# Altium PCB STM32F207VC_Mini.PcbDoc
Units mm, origin at the board's own origin, x right, y up, seen from the top; angles counter-clockwise.
Board outline 70 x 70.02 mm, 2 copper layers (Top Layer, Bottom Layer); 50 components, 95 nets, 301 pads, 43 vias.
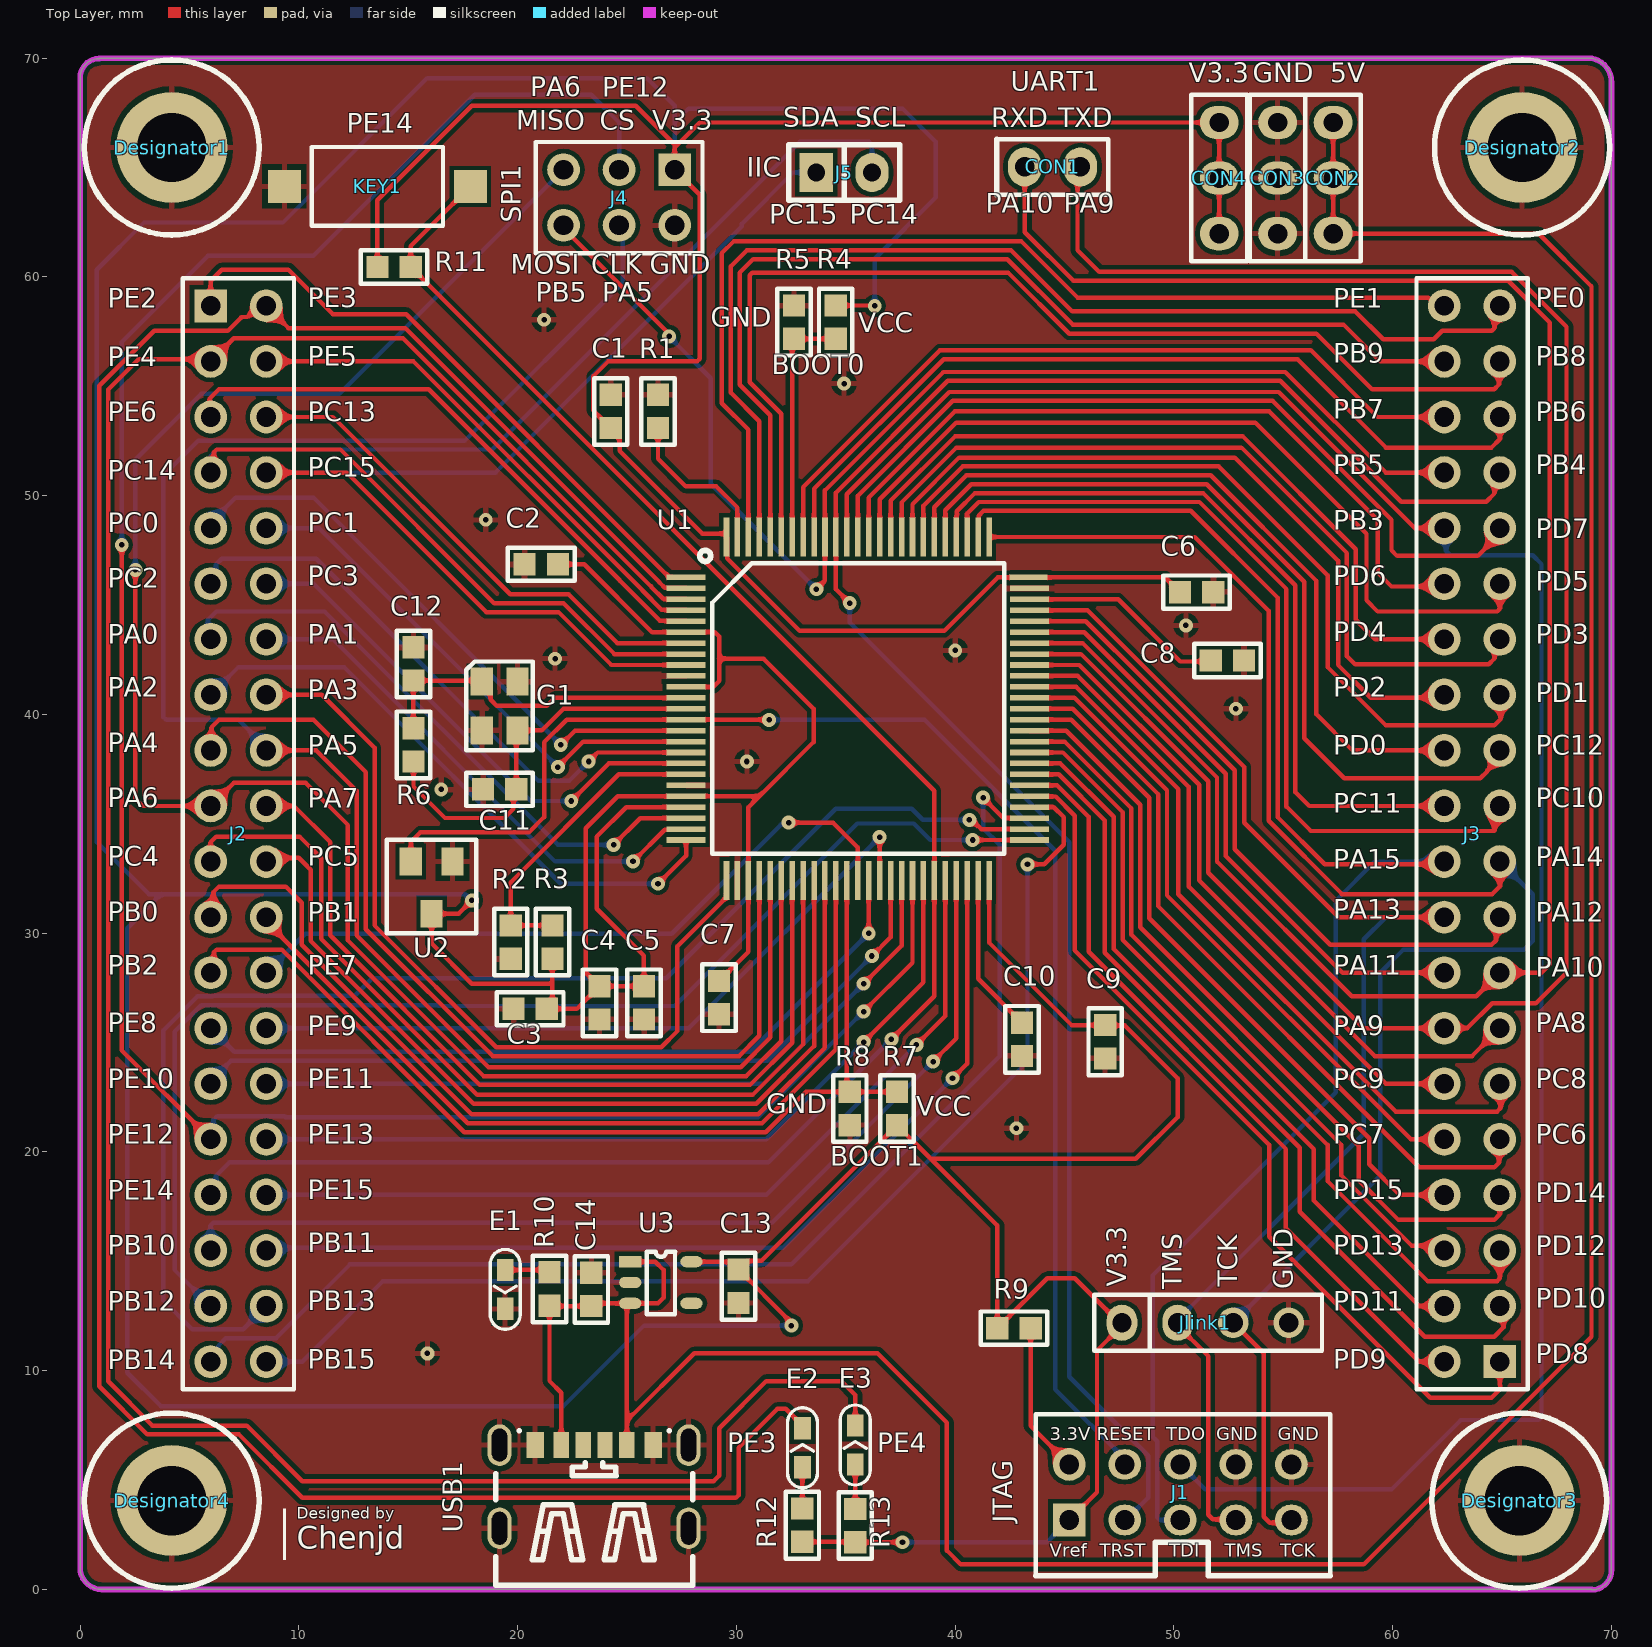
[diagram p0: Top Layer view]
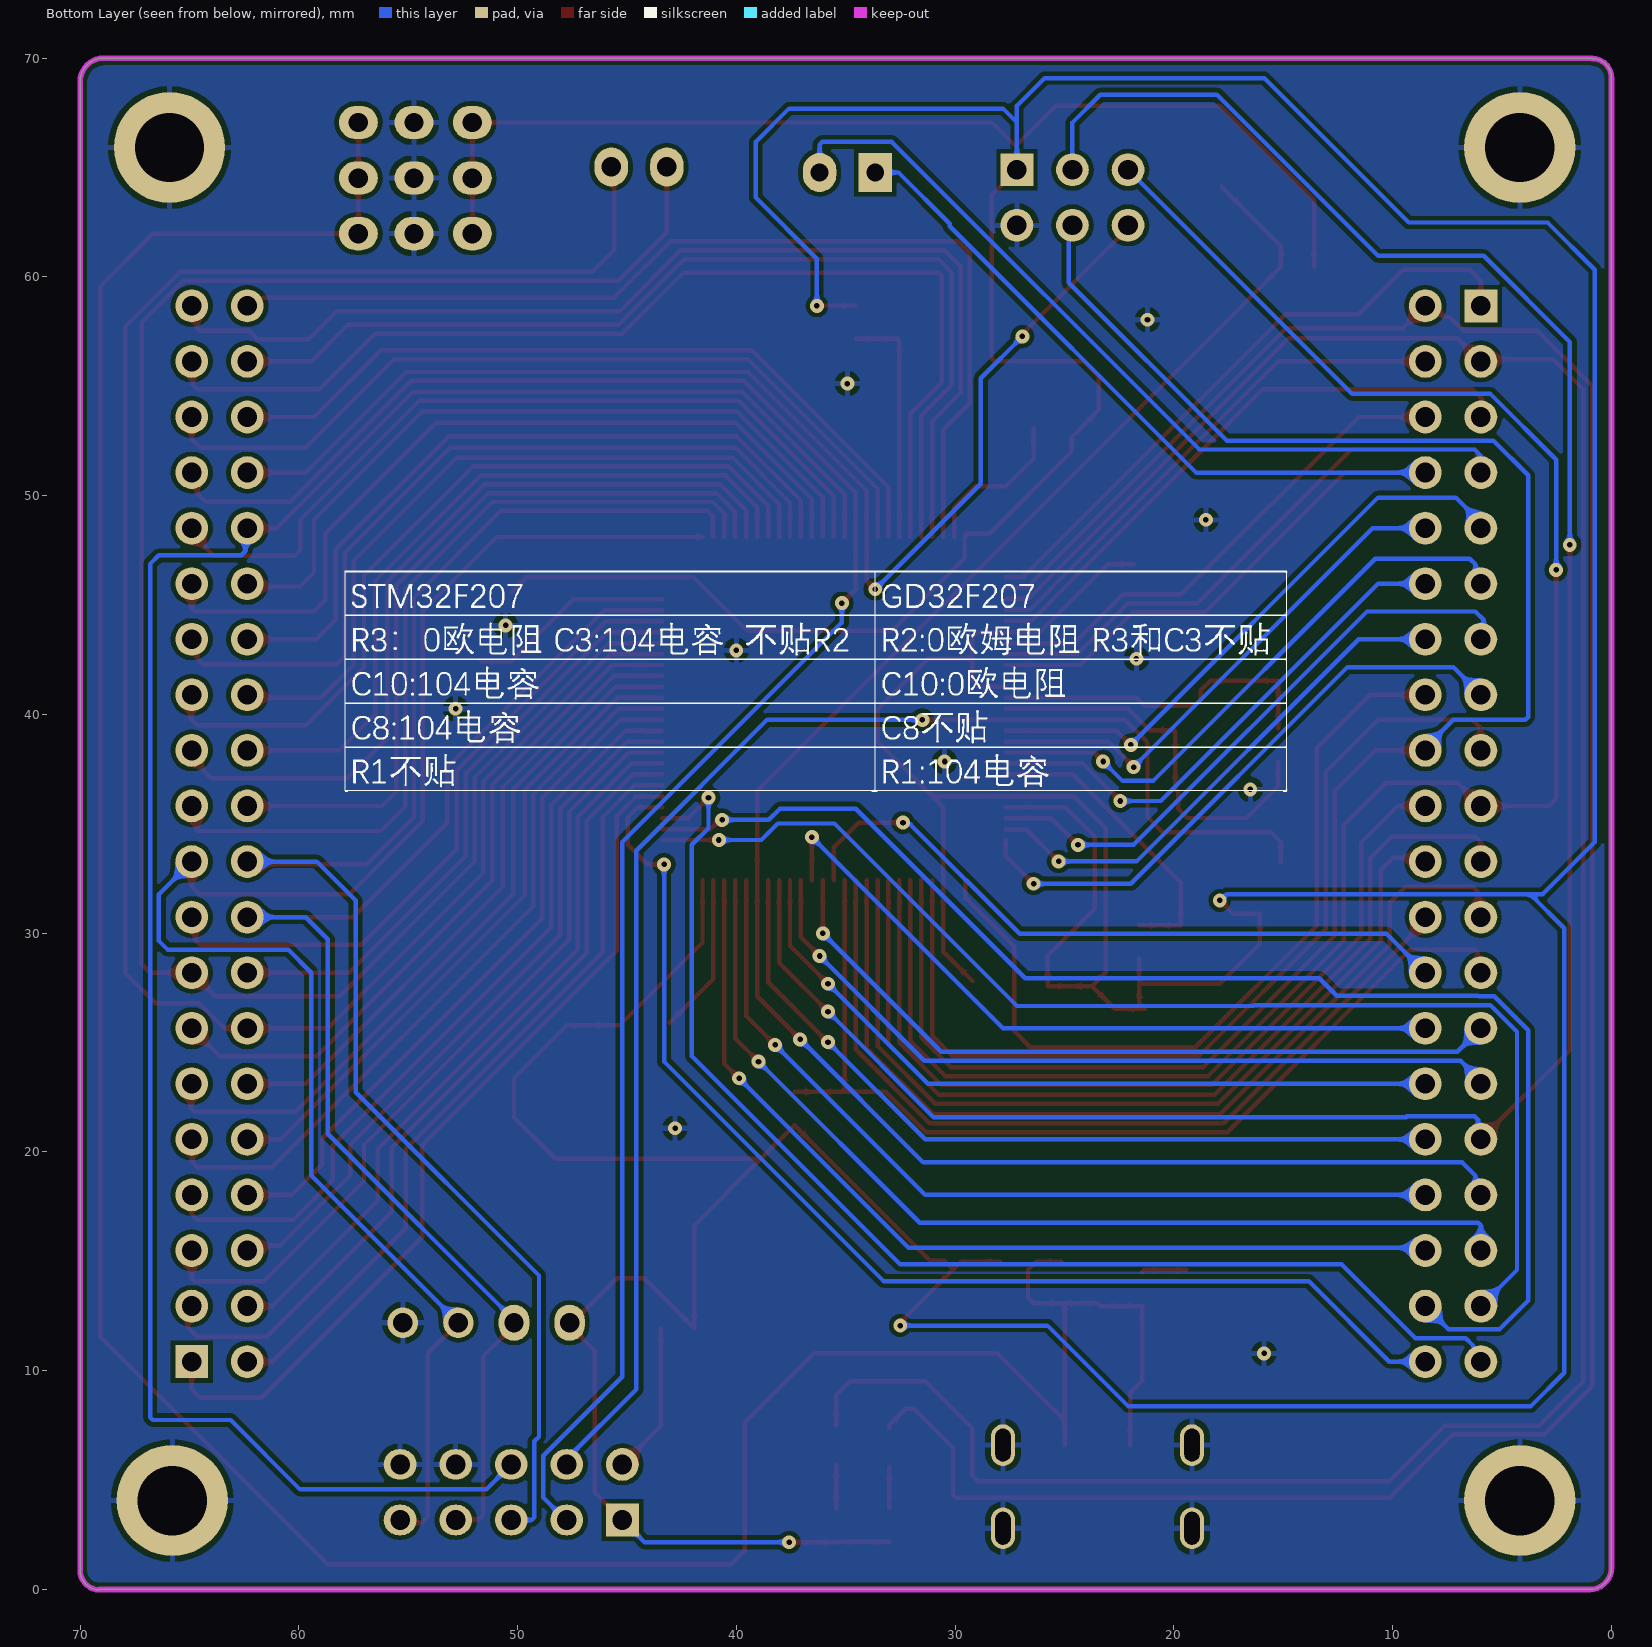
[diagram p1: Bottom Layer view, seen from below]

## Layer stack, top to bottom
Top Solder: solder mask 0.0102, Solder Resist, Dk 3.5
Top Layer: signal copper 0.0356
Dielectric 1: dielectric 0.32, FR-4, Dk 4.8
Bottom Layer: signal copper 0.0356
Bottom Solder: solder mask 0.0102, Solder Resist, Dk 3.5

## Board outline
0,1 0,69.102 cw(c0.878,69.102) 0.878,69.98 0.878,70 68.92,70 cw(c68.92,68.92) 70,68.92 70,0.878 cw(c69.102,0.878) 69.102,-0.02 69.102,0 1,0 cw(c1,1)

## Design rules (kind name [scope] priority, off if disabled: settings)
Clearance [All] p1: gap=0.203 ignorepadtopadclearanceinfootprint=FALSE except(0: Arc-Hole Track-Hole SMDPad-Hole THPad-Hole Via-Hole Fill-Hole Poly-Hole Region-Hole Text-Hole)
PolygonConnect [All] p1: connectstyle=Relief reliefconductorwidth=0.254 reliefentries=4 polygonreliefangle="90 Angle" airgapwidth=0.254
RoutingVias [All] p1: holewidth=0.2 width=0.5 viastyle="Through Hole" minholewidth=0.711 minwidth=1.27 maxholewidth=0.711 maxwidth=1.27
SolderMaskExpansion [All] p1: expansion=0.102 istentingtop=FALSE
Width [All] p1: maxlimit=0.203 minlimit=0.203 preferedwidth=0.203
30 further rules are at their usual default settings.

## Classes and differential pairs
component class STM32F207VC_Mini: C1 C2 C3 C4 C5 C6 C7 C8 C9 C10 C11 C12 C13 C14 CON1 CON2 CON3 CON4 E1 E2 E3 G1 J1 J2 J3 J4 J5 Jlink1 KEY1 R1 R2 R3 R4 R5 R6 R7 R8 R9 R10 R11 R12 R13 U1 U2 U3 USB1

## Components (designator, comment, footprint, x,y, rotation, side; value= is the part's Value field where it differs from the comment)
C1 "4.7u" 0603 24.251,53.103 r90 top
C2 "104" 0603 20.337,46.869 r0 top
C3 "104" 0603 19.829,26.549 r0 top
C4 "105" 0603 23.749,27.559 r270 top
C5 "104" 0603 25.781,27.559 r270 top
C6 "104" 0603 50.292,45.593 r0 top
C7 "104" 0603 29.216,27.796 r270 top
C8 "2.2u" 0603 53.189,42.464 r180 top
C9 "104" 0603 46.863,25.781 r270 top
C10 "2.2u" 0603 43.047,24.401 r90 top
C11 "18pF" 0603 18.432,36.582 r0 top
C12 "18pF" 0603 15.24,43.053 r270 top
C13 "10uF" 0603 30.099,14.605 r270 top
C14 "10uF" 0603 23.362,12.971 r90 top
CON1 "CON2" 2pin 45.72,65.024 r180 top
CON2 "CON3" "3 PIN" 57.277,61.976 r90 top
CON3 "CON3" "3 PIN" 54.737,61.976 r90 top
CON4 "CON3" "3 PIN" 52.07,61.976 r90 top
Designator1 "Comment" M3x10_L 4.191,65.913 r0 top
Designator2 "Comment" M3x10_L 65.913,65.913 r0 top
Designator3 "Comment" M3x10_L 65.786,4.064 r0 top
Designator4 "Comment" M3x10_L 4.191,4.064 r0 top
E1 "LED" LED_0603L 19.431,14.859 r270 top
E2 "LED" LED_0603L 33.02,5.334 r90 top
E3 "LED" LED_0603L 35.433,5.461 r90 top
G1 "25MHz(无源贴片)" G3225 19.177,40.386 r270 top
J1 "JTAG-10P" JTAG-10PIN 45.212,3.175 r0 top
J2 "Pin HDR2X20" "Pin HDR2X20/2.54mm-S" 5.969,58.674 r270 top
J3 "Pin HDR2X20" "Pin HDR2X20/2.54mm-S" 64.897,10.414 r90 top
J4 "Pin HDR2X3" "Pin HDR2X3/2.54mm-S" 27.178,64.897 r180 top
J5 "Pin HDR1X2" "Pin HDR1X2/2.54mm-S" 33.655,64.77 r90 top
Jlink1 "JLINK-SWD" Jlink-SWD 47.625,12.192 r0 top
KEY1 "H-3650AADW(NC)" SW_PB_2P 13.589,64.135 r180 top value=SW_PB_2P
R1 "0" 0603 26.41,53.103 r90 top
R2 "0" 0603 19.679,28.846 r90 top
R3 "0" 0603 21.584,28.846 r90 top
R4 "1k" 0603 34.544,58.674 r270 top
R5 "1k" 0603 32.639,58.674 r270 top
R6 "1M" 0603 15.234,37.863 r90 top
R7 "1K" 0603 37.338,21.241 r90 top
R8 "1k" 0603 35.179,21.241 r90 top
R9 "0" 0603 43.434,11.938 r180 top
R10 "1K" 0603 21.463,14.478 r270 top
R11 "1k" 0603 15.096,60.446 r180 top
R12 "1k" 0603 33.02,3.683 r270 top
R13 "1k" 0603 35.439,3.666 r270 top
U1 "STM32F207VCT6" LQFP-100 35.56,40.259 r0 top
U2 "MAX809" SOT32-809 15.118,33.287 r270 top
U3 "SPX3819" SOT-23-5 25.146,14.981 r0 top
USB1 "TYPE-C 6P(073)" USB-C-6P 23.495,4.699 r0 top

## Footprints (in the part's own frame and the unit in brackets; to place one, negate y for a bottom-side part, rotate by r counter-clockwise, add the part's x,y. Pads: shape width x height; smd on the part's side, far side on the other; paste and mask are expansions set on the pad)
2pin [mil] "2pin"
  oval 60x70 hole 35: 1(0,0) 2(100,0)
  silkscreen extent -50,-50 150,50
"3 PIN" [mil] "3脚传感器"
  oval 60x70 hole 35: 1(0,0) 2(100,0) 3(200,0)
  silkscreen extent -50,-50 250,50, body extent -50,-55 250,45, height 453
0603 [mil] "0603封装"
  rect 40x40 smd: 1(-0.68,-0.23) 2(59.32,-0.23)
  silkscreen extent -31,-30 89,30, body extent -1,-16 62,16, height 18
G3225 [mil] "3225贴片晶振"
  rect 50x40 smd: 1(-44,-32) 2(44,-32) 3(44,32) 4(-44,32)
  silkscreen extent -80,-60 80,60, body extent -63,-49 63,49, height 32
Jlink-SWD [mil] "Jlink下载接口"
  oval 55x65 hole 35: 1(0,0) 2(100,0)
  round 55 hole 35: 3(200,0) 4(300,0)
  silkscreen extent -50,-50 360,50, body extent -45,-55 355,45, height 453
JTAG-10PIN [mm] "10pin JTAG"
  rect 1.5x1.5 hole 0.9: 1(0,0)
  round 1.5 hole 0.9: 2(0,2.54)
  oval 1.5x1.397 hole 0.9: 3(2.54,0) 4(2.54,2.54) 5(5.08,0) 6(5.08,2.54) 7(7.62,0) 8(7.62,2.54) 9(10.16,0) 10(10.16,2.54)
  silkscreen extent -1.52,-2.54 11.94,4.83, body extent -5.07,-2.98 15.23,5.87, height 9.13
LED_0603L [mil] "LED"
  rect 40x30 smd: 1(10,0) 2(80,0)
  silkscreen extent -27,-27 117,27, body extent 14,-16 77,16, height 24
LQFP-100 [mil]
  rect 70x10 smd: 1(-309.5,236.22) 2(-309.5,216.53) 3(-309.5,196.85) 4(-309.5,177.16) 5(-309.5,157.48) 6(-309.5,137.79) 7(-309.5,118.11) 8(-309.5,98.42) 9(-309.5,78.74) 10(-309.5,59.05) 11(-309.5,39.37) 12(-309.5,19.68) 13(-309.5,0) 14(-309.5,-19.69) 15(-309.5,-39.37) 16(-309.5,-59.06) 17(-309.5,-78.74) 18(-309.5,-98.43) 19(-309.5,-118.11) 20(-309.5,-137.8) 21(-309.5,-157.48) 22(-309.5,-177.17) 23(-309.5,-196.85) 24(-309.5,-216.54) 25(-309.5,-236.22) 51(308.61,-236.22) 52(308.61,-216.54) 53(308.61,-196.85) 54(308.61,-177.17) 55(308.61,-157.48) 56(308.61,-137.8) 57(308.61,-118.11) 58(308.61,-98.43) 59(308.61,-78.74) 60(308.61,-59.06) 61(308.61,-39.37) 62(308.61,-19.69) 63(308.61,0) 64(308.61,19.68) 65(308.61,39.37) 66(308.61,59.05) 67(308.61,78.74) 68(308.61,98.42) 69(308.61,118.11) 70(308.61,137.79) 71(308.61,157.48) 72(308.61,177.16) 73(308.61,196.85) 74(308.61,216.53)
  rect 10x70 smd: 26(-236.67,-309.06) 27(-216.98,-309.06) 28(-197.3,-309.06) 29(-177.61,-309.06) 30(-157.93,-309.06) 31(-138.24,-309.06) 32(-118.55,-309.06) 33(-98.87,-309.06) 34(-79.18,-309.06) 35(-59.5,-309.06) 36(-39.82,-309.06) 37(-20.13,-309.06) 38(-0.45,-309.06) 39(19.24,-309.06) 40(38.93,-309.06) 41(58.61,-309.06) 42(78.3,-309.06) 43(97.98,-309.06) 44(117.66,-309.06) 45(137.35,-309.06) 46(157.03,-309.06) 47(176.72,-309.06) 48(196.41,-309.06) 49(216.09,-309.06) 50(235.78,-309.06) 76(235.78,309.05) 77(216.09,309.05) 78(196.41,309.05) 79(176.72,309.05) 80(157.04,309.05) 81(137.35,309.05) 82(117.67,309.05) 83(97.98,309.05) 84(78.3,309.05) 85(58.61,309.05) 86(38.93,309.05) 87(19.24,309.05) 88(-0.44,309.05) 89(-20.13,309.05) 90(-39.81,309.05) 91(-59.5,309.05) 92(-79.18,309.05) 93(-98.87,309.05) 94(-118.55,309.05) 95(-138.24,309.05) 96(-157.93,309.05) 97(-177.61,309.05) 98(-197.3,309.05) 99(-216.98,309.05) 100(-236.66,309.05)
  rect 68x10 smd: 75(306.61,236.22)
  silkscreen extent -285,-261 263,285, body extent -316,-321 315,309, height 57
M3x10_L [mm] "M3铜柱，长：10mm"
  round 5.08 hole 3.175: 1(0,0)
  silkscreen extent -4,-4 4,4, body extent -2.7,-2.35 2.7,2.35, height 10.05
"Pin HDR1X2/2.54mm-S" [mil]
  rect 70x60 hole 32: 1(0,0)
  oval 70x60 hole 32: 2(0,-100)
  silkscreen extent -50,-150 50,50, body extent -50,-150 50,50, height 336
"Pin HDR2X3/2.54mm-S" [mm] "Connector; Header; 3x2 Position"
  rect 1.5x1.5 hole 0.9: 1(0,0)
  round 1.5 hole 0.9: 2(0,2.54) 3(2.54,0) 4(2.54,2.54) 5(5.08,0) 6(5.08,2.54)
  silkscreen extent -1.27,-1.27 6.35,3.81, body extent -1.27,-1.27 6.35,3.81, height 7.58
"Pin HDR2X20/2.54mm-S" [mm] "Connector; Header; 20x2 Position"
  rect 1.5x1.5 hole 0.9: 1(0,0)
  round 1.5 hole 0.9: 2(0,2.54) 3(2.54,0) 4(2.54,2.54) 5(5.08,0) 6(5.08,2.54) 7(7.62,0) 8(7.62,2.54) 9(10.16,0) 10(10.16,2.54) 11(12.7,0) 12(12.7,2.54) 13(15.24,0) 14(15.24,2.54) 15(17.78,0) 16(17.78,2.54) 17(20.32,0) 18(20.32,2.54) 19(22.86,0) 20(22.86,2.54) 21(25.4,0) 22(25.4,2.54) 23(27.94,0) 24(27.94,2.54) 25(30.48,0) 26(30.48,2.54) 27(33.02,0) 28(33.02,2.54) 29(35.56,0) 30(35.56,2.54) 31(38.1,0) 32(38.1,2.54) 33(40.64,0) 34(40.64,2.54) 35(43.18,0) 36(43.18,2.54) 37(45.72,0) 38(45.72,2.54) 39(48.26,0) 40(48.26,2.54)
  silkscreen extent -1.27,-1.27 49.53,3.81, body extent -1.27,-1.27 49.53,3.81, height 7.58
SOT32-809 [mil] "ESD"
  rect 50x40 smd: 1(0.52,74.8) 2(0.52,0) 3(94.43,37.4)
  silkscreen extent -39,-43 129,118, body extent 5,-24 96,94, height 28
SOT-23-5 [mil] "SPX3819"
  rect 40x20 smd: 1(0,0)
  oval 40x20 smd: 2(0,-37.4) 3(0,-74.8) 4(110,-74.8) 5(110,0)
  silkscreen extent 30,-94 81,18, body extent -13,-100 125,18, height 43
SW_PB_2P [mm] "2脚贴片按钮"
  rect 1.5x1.5 smd: 1(-4.25,0) 2(4.25,0)
  silkscreen extent -3,-1.8 3,1.8, body extent -3.28,-1.57 3.32,1.63, height 1.9
USB-C-6P [mm] "USB type C 6P"
  oval 1.1x1.9 hole 0.7 slot 1.5 at 90 deg: 7(-4.32,-1.9) 7(-4.32,1.9) 7(4.32,-1.9) 7(4.32,1.9)
  rect 0.7x1.2 smd: A5(-0.5,1.9) A9(1.5,1.9) B5(0.5,1.9) B9(-1.5,1.9)
  rect 0.8x1.2 smd: A12(2.7,1.9) B12(-2.7,1.9)
  silkscreen extent -4.5,-4.5 4.5,2.55, body extent -4.4,-4.49 4.54,2.31, height 4.06

## Part data
C1 C2 C3 C4 C5 C6 C7 C8 C9 C10: library part CAP, "贴片电容"
C11 C12: library part CAP, "无极电容"
C13 C14: library part "CAP Nonpolarity", "无极电容"
CON1: "2pin"
CON2 CON3 CON4: "3 pin"
E1 E2 E3: "LED灯"
G1: library part MM-11B, "无源晶振MCU使用"
J1: "10pin JTAG"
Jlink1: "SWD下载接口"
KEY1: library part SW_PB_2P, "贴片按钮-2PIN(NC)", Manufacturer=?, CLASS=IO, Manufacturer_Part_Number=?, MFG_NAME01=?, MFG_PN01=?, PCB DECAL=SWEVQPA, Source_Path=E:\PROJECT\FREESCALE\IMX6\SCH\IMX_LIBRARY.OLB
R1 R2 R3 R4 R5 R6 R7 R8 R9 R10 R11 R12 R13: library part R, "电阻"
U1: library part STM32F207-1
U2: "复位IC"
U3: "稳压器"
USB1: library part "USB-TYPE-C 6P", "6脚usb type-c接口", BOM_Manufacturer="SHOU HAN", BOM_Manufacturer Part="TYPE-C 6P(073)", BOM_Supplier=LCSC, BOM_Supplier Part=C668623, Contributor=LCSC, spicePre=U, spiceSymbolName="TYPE-C 6P(073)"

## Via types
v1: diameter 0.635, hole 0.254, Top Layer to Bottom Layer, tented both sides, 43 vias

## Nets (pads, with @x,y where several pads share a name; then routed paths per layer and width w, separated by ;. In a path a pad name is that pad's centre, name@x,y a point inside that pad or via, vN(x,y) a via of type N, cw(c..) or ccw(c..) an arc to the next point about the centre after c; other vN are vias at no path point)
BOOT0: R4.2 R5.2 U1.94 | length 11
  Top Layer w0.203: U1.94 32.549,57.083 R5.2 R4.2
BOOT1: J2.25 R7.2 R8.2 U1.37 | length 46.2
  Top Layer w0.203: J2.25 6.119,28.344 6.119,29.13 6.238,29.249 9.213,29.249 17.557,20.904 31.338,20.904 33.181,22.748 R8.2 ; U1.37 35.049,22.884 R8.2 ; R7.2 R8.2
GND: C1.2 C2.1 C3.1 C4.2 C5.2 C6.2 C7.2 C8.1 C9.2 C10.1 C11.1 C12.1 C13.2 C14.2 CON3.1 CON3.2 CON3.3 Designator1.1 Designator2.1 Designator3.1 Designator4.1 E1.2 G1.2 G1.4 J1.8 J1.10 J4.2 Jlink1.4 KEY1.2 R1.2 R2.1 R5.1 R8.1 U1.10 U1.20 U1.27 U1.74 U2.1 U3.2 USB1.7 USB1.A12 USB1.B12
  other v1: 15.875,10.795 42.799,21.082 16.51,36.576 30.48,37.846 52.832,40.259 21.717,42.545 40.005,42.926 50.546,44.069 18.542,48.895 34.925,55.118 21.209,58.039
IIC_SCL: J2.7 J5.2 U1.8 | length 64.8
  Top Layer w0.203: J2.7 6.119,51.204 6.119,51.99 6.238,52.109 11.899,52.109 18.923,45.085 22.098,45.085 24.424,42.759 U1.8
  Bottom Layer w0.203: J2.7 5.969,51.816 6.262,52.109 18.835,52.109 32.893,66.167 36.076,66.167 36.195,66.048 J5.2
IIC_SDA: J2.8 J5.1 U1.9 | length 53.7
  Top Layer w0.203: J2.8 12.192,51.054 18.567,44.679 21.869,44.679 24.289,42.259 U1.9
  Bottom Layer w0.203: J2.8 18.99,51.054 30.251,62.316 30.251,62.433 32.588,64.77 J5.1
Jlink_NJTRST: J1.3 J3.33 U1.90 | length 89.1
  Top Layer w0.203: v1(35.179,45.085) 34.549,45.715 U1.90 34.549,50.135 39.658,55.245 54.864,55.245 60.389,49.721 64.27,49.721 64.649,50.099 64.649,50.806 J3.33
  Bottom Layer w0.203: v1(35.179,45.085) 35.179,44.196 45.212,34.163 45.212,9.725 48.831,6.107 48.831,4.202 47.804,3.175 J1.3
Jlink_TCK: J1.9 J3.19 Jlink1.3 U1.76 | length 78.5
  Top Layer w0.203: U1.76 50.951,48.109 54.331,44.729 54.331,35.138 57.679,31.789 64.555,31.789 64.897,32.131 J3.19 ; Jlink1.3 54.102,10.795 54.102,3.323 54.377,3.048 55.245,3.048 J1.9
  Bottom Layer w0.203: Jlink1.3 59.436,18.923 59.436,28.194 60.491,29.249 66.001,29.249 66.396,29.643 66.396,31.775 J3.19
Jlink_TDI: J1.5 J3.20 U1.77 | length 73.9
  Top Layer w0.203: U1.77 41.074,48.134 41.074,49.081 41.295,49.303 50.773,49.303 54.737,45.339 54.737,35.306 56.896,33.147 62.23,33.147 J3.20
  Bottom Layer w0.203: J1.5@50.579,3.462 J1.5 49.356,3.175 49.237,3.294 49.237,6.77 49.022,6.985 49.022,14.351 57.404,22.733 57.404,31.496 59.182,33.274 J3.20
Jlink_TDO: J1.6 J3.32 U1.89 | length 96.4
  Top Layer w0.203: U1.89 35.049,50.061 39.725,54.737 54.797,54.737 61.02,48.514 J3.32
  Bottom Layer w0.203: J1.6@50.579,5.428 51.435,4.572 59.944,4.572 63.119,7.747 66.683,7.747 66.802,7.866 66.802,46.872 66.406,47.268 62.635,47.268 62.444,47.459 62.444,48.427 J3.32
Jlink_TMS: J1.7 J3.18 Jlink1.2 U1.72 | length 62.3
  Top Layer w0.203: U1.72 46.048,44.759 53.213,37.594 53.213,35.052 57.531,30.734 J3.18 ; Jlink1.2 50.165,12.065 51.562,10.668 51.562,3.421 51.777,3.206 52.801,3.206 J1.7 ; Jlink1.2@50.673,12.446 Jlink1.2@50.673,12.573
  Bottom Layer w0.203: Jlink1.2 50.165,12.319 58.674,20.828 58.674,29.718 59.69,30.734 J3.18
KEY1: J2.33 KEY1.1 R11.1 U1.45 | length 85.3
  Top Layer w0.203: KEY1.1 15.113,61.409 R11.1 39.049,36.516 U1.45 39.049,27.111 v1(37.084,25.146)
  Bottom Layer w0.203: J2.33 6.217,18.282 6.217,18.917 6.819,19.519 31.457,19.519 v1(37.084,25.146)
MCU_LED: E3.2 J2.3 U1.3 | length 118.6
  Top Layer w0.203: U1.3 27.673,45.284 26.652,45.284 26.098,45.837 26.098,45.85 14.76,57.189 7.024,57.189 J2.3 5.867,56.236 2.667,56.236 1.283,54.851 1.283,9.512 3.302,7.493 7.62,7.493 10.16,4.953 28.956,4.953 29.21,5.207 29.21,7.366 31.369,9.525 34.798,9.525 35.433,8.89 E3.2
MCU_LED2: E2.2 J2.2 U1.2 | length 117.1
  Top Layer w0.203: U1.2 27.673,45.784 26.726,45.784 26.505,46.006 26.505,46.019 14.865,57.658 9.525,57.658 J2.2 8.158,58.674 7.65,58.166 7.366,58.166 7.366,58.14 6.757,57.531 3.388,57.531 0.876,55.02 0.876,9.284 3.073,7.087 7.264,7.087 10.16,4.191 29.98,4.191 30.099,4.31 30.099,6.477 31.877,8.255 32.258,8.255 33.02,7.493 E2.2
MCU_RST: J1.4 U1.14 U2.2 | length 66.5
  Top Layer w0.203: U2.2 15.118,34.168 15.555,34.605 20.508,34.605 21.209,35.306 21.209,38.726 22.242,39.759 U1.14 31.488,39.759 v1(31.496,39.751)
  Bottom Layer w0.203: v1(31.496,39.751) 38.599,39.751 44.577,33.773 44.577,9.144 47.752,5.969 J1.4
MCU_RXD: CON1.2 J3.15 U1.69 | length 91.4
  Top Layer w0.203: CON1.2 43.18,62.043 45.406,59.817 65.278,59.817 67.183,57.912 67.183,28.575 66.802,28.194 J3.15 63.818,27.115 58.127,27.115 51.968,33.274 51.968,37.115 45.824,43.259 U1.69
MCU_TXD: CON1.1 J3.14 U1.68 | length 92.3
  Top Layer w0.203: U1.68 45.749,42.759 51.562,36.946 51.562,32.766 58.674,25.654 J3.14 62.364,25.661 63.412,25.661 64.548,26.797 66.548,26.797 67.945,28.194 67.945,57.725 65.446,60.223 46.584,60.223 45.593,61.214 45.593,64.897 CON1.1
NetC8_2: C8.2 U1.73 | length 9.5
  Top Layer w0.203: U1.73 47.451,45.259 50.292,42.418 51.631,42.418 C8.2
NetC10_2: C10.2 U1.49 | length 7.3
  Top Layer w0.203: U1.49 41.049,27.912 C10.2
NetE1_1: E1.1 R10.1 | length 2.1
  Top Layer w0.203: E1.1 21.347,14.605 R10.1
NetE2_1: E2.1 R12.1 | length 1.9
  Top Layer w0.203: R12.1 33.014,5.582 E2.1
NetE3_1: E3.1 R13.1 | length 2
  Top Layer w0.203: R13.1 E3.1
NetJ1_2: J1.2 R9.1 | length 7
  Top Layer w0.203: R9.1 43.451,7.476 J1.2
NetR1_1: R1.1 U1.99 | length 7.3
  Top Layer w0.203: R1.1 26.416,51.689 27.686,50.419 29.083,50.419 30.049,49.453 U1.99
NetR2_2: R2.2 R3.2 U1.19 | length 13.9
  Top Layer w0.203: R3.2 R2.2 19.685,32.318 24.626,37.259 U1.19
OSCIN: C12.2 G1.1 R6.2 U1.12 | length 15.5
  Top Layer w0.203: R6.2 15.234,39.376 C12.2 18.321,41.546 G1.1 18.771,41.097 18.771,40.665 19.05,40.386 21.336,40.386 21.709,40.759 U1.12
OSCOUT: C11.2 G1.3 R6.1 U1.13 | length 18.3
  Top Layer w0.203: R6.1 15.24,36.703 16.68,35.263 19.388,35.263 19.812,35.687 19.812,36.449 C11.2 19.939,39.218 G1.3 21.107,39.268 22.098,40.259 U1.13
PA0: J2.13 U1.23 | length 27.9
  Top Layer w0.203: v1(24.384,34.036) 25.607,35.259 U1.23
  Bottom Layer w0.203: J2.13 5.842,43.561 5.842,44.323 6.223,44.704 11.176,44.704 21.844,34.036 v1(24.384,34.036)
PA1: J2.14 U1.24 | length 24
  Top Layer w0.203: v1@25.273,33.274 v1(25.273,33.28) 26.726,34.734 27.673,34.734 U1.24
  Bottom Layer w0.203: J2.14 11.557,43.434 21.711,33.28 v1(25.273,33.28)
PA2: J2.15 U1.25 | length 27.6
  Top Layer w0.203: v1(26.416,32.258) 27.699,33.541 U1.25
  Bottom Layer w0.203: J2.15 7.239,42.164 12.065,42.164 21.971,32.258 v1(26.416,32.258)
PA3: J2.16 U1.26 | length 38.3
  Top Layer w0.203: J2.16 11.049,40.894 13.462,38.481 13.462,30.353 19.025,24.79 26.568,24.79 27.305,25.527 27.305,29.403 29.549,31.647 U1.26
PA4: J2.17 U1.29 | length 44.3
  Top Layer w0.203: J2.17 6.008,38.393 6.008,39.409 6.35,39.751 10.668,39.751 13.056,37.363 13.056,30.185 18.856,24.384 30.126,24.384 31.049,25.307 U1.29
PA5: J2.18 J4.4 U1.30 | length 84.4
  Top Layer w0.203: J2.18 10.795,38.354 12.649,36.5 12.649,29.896 18.669,23.876 30.192,23.876 31.549,25.232 U1.30
  Bottom Layer w0.203: J2.18 8.509,38.481 7.239,39.751 3.937,39.751 3.81,39.878 3.81,50.927 5.398,52.515 17.59,52.515 24.808,59.733 24.808,62.187 J4.4
PA6: J2.19 J4.5 U1.31 | length 87.3
  Top Layer w0.203: v1(2.527,46.609) 2.527,36.157 2.87,35.814 J2.19 7.024,36.869 10.315,36.869 12.243,34.941 12.243,29.667 18.44,23.47 30.455,23.47 32.049,25.064 U1.31
  Bottom Layer w0.203: v1(2.527,46.609) 2.527,51.644 5.532,54.649 11.85,54.649 J4.5
PA7: J2.20 U1.32 | length 40
  Top Layer w0.203: J2.20 9.779,35.814 11.43,34.163 11.43,29.905 18.272,23.063 30.623,23.063 32.549,24.989 U1.32
PA8: J3.13 U1.67 | length 32
  Top Layer w0.203: U1.67 45.675,42.259 51.156,36.778 51.156,32.41 59.182,24.384 63.627,24.384 J3.13
PA11: J3.16 U1.70 | length 27.6
  Top Layer w0.203: U1.70 45.899,43.759 52.375,37.283 52.375,33.528 57.709,28.194 J3.16
PA12: J3.17 U1.71 | length 30.8
  Top Layer w0.203: U1.71 45.974,44.259 48.729,41.504 52.781,37.451 52.781,33.833 57.15,29.464 64.516,29.464 64.731,29.679 64.731,30.568 J3.17
PB0: J2.23 U1.35 | length 43.6
  Top Layer w0.203: J2.23 6.096,30.861 6.096,31.877 6.35,32.131 9.398,32.131 10.135,31.394 10.135,29.476 17.894,21.717 31.001,21.717 34.049,24.765 U1.35
PB1: J2.24 U1.36 | length 39.2
  Top Layer w0.203: J2.24 8.509,30.527 17.726,21.311 31.169,21.311 34.549,24.69 U1.36
PB5: J3.34 J4.6 U1.91 | length 58.6
  Top Layer w0.203: J4.6 22.098,62.22 26.924,57.394 v1(26.924,57.277) ; v1(33.655,45.72) 34.049,46.114 U1.91 34.049,50.238 39.462,55.651 55.093,55.651 59.69,51.054 J3.34
  Bottom Layer w0.203: v1(26.924,57.277) 28.829,55.372 28.829,50.546 v1(33.655,45.72)
PB6: J3.35 U1.92 | length 38.9
  Top Layer w0.203: U1.92 33.549,50.313 39.472,56.236 55.651,56.236 59.69,52.197 64.516,52.197 64.897,52.578 J3.35
PB7: J3.36 U1.93 | length 35.4
  Top Layer w0.203: U1.93 33.049,50.387 39.303,56.642 56.261,56.642 59.309,53.594 J3.36
PB8: J3.37 U1.95 | length 50.2
  Top Layer w0.203: U1.95 32.049,53.743 30.607,55.185 30.607,60.079 30.726,60.198 42.418,60.198 45.212,57.404 56.515,57.404 59.055,54.864 64.643,54.864 64.858,55.079 64.858,56.095 J3.37
PB9: J3.38 U1.96 | length 47.1
  Top Layer w0.203: U1.96 31.549,53.668 30.15,55.067 30.15,60.197 30.761,60.808 42.383,60.808 45.372,57.818 57.752,57.818 59.436,56.134 J3.38
PB10: J2.35 U1.47 | length 46
  Top Layer w0.203: v1(38.989,24.13) 40.049,25.19 U1.47
  Bottom Layer w0.203: J2.35 5.969,16.645 6.088,16.764 31.623,16.764 v1(38.989,24.13)
PB11: J2.36 U1.48 | length 43.9
  Top Layer w0.203: v1(39.878,23.368) 40.549,24.039 U1.48
  Bottom Layer w0.203: J2.36 8.636,15.621 32.131,15.621 v1(39.878,23.368)
PB12: J2.37 U1.51 | length 56.6
  Top Layer w0.203: v1(40.798,34.259) U1.51
  Bottom Layer w0.203: J2.37 4.318,14.605 4.318,25.495 5.532,26.709 16.336,26.709 16.374,26.67 27.178,26.67 35.52,35.012 38.11,35.012 38.863,34.259 v1(40.798,34.259)
PB13: J2.38 U1.52 | length 62.2
  Top Layer w0.203: v1(40.653,35.179) 40.767,35.179 41.187,34.759 U1.52
  Bottom Layer w0.203: J2.38 7.454,11.899 5.119,11.899 3.81,13.208 3.81,25.561 5.364,27.115 6.072,27.115 6.096,27.139 12.554,27.139 13.354,27.94 26.797,27.94 34.544,35.687 38.009,35.687 38.517,35.179 v1(40.653,35.179)
PB14: J2.39 U1.53 | length 56.7
  Top Layer w0.203: v1(41.275,36.195) 42.211,35.259 U1.53
  Bottom Layer w0.203: J2.39 5.969,10.765 6.35,11.146 6.35,11.176 6.657,11.483 8.957,11.483 12.333,14.859 32.512,14.859 42.037,24.384 42.037,34.036 41.275,34.798 v1(41.275,36.195)
PB15: J2.40 U1.54 | length 54.5
  Top Layer w0.203: v1(43.307,33.147) 44.069,33.147 44.958,34.036 44.958,35.306 44.505,35.759 U1.54
  Bottom Layer w0.203: J2.40 10.16,10.414 13.843,14.097 33.274,14.097 43.307,24.13 v1(43.307,33.147)
PC0: J2.9 U1.15 | length 27.4
  Top Layer w0.203: v1(21.971,38.608) 22.622,39.259 U1.15
  Bottom Layer w0.203: J2.9 5.969,48.768 7.112,49.911 10.668,49.911 v1(21.971,38.608)
PC1: J2.10 U1.16 | length 24.2
  Top Layer w0.203: v1(21.844,37.592) 21.844,37.601 23.002,38.759 U1.16
  Bottom Layer w0.203: J2.10 10.922,48.514 v1(21.844,37.592)
PC2: J2.11 U1.17 | length 27.3
  Top Layer w0.203: v1(23.241,37.846) 23.654,38.259 U1.17
  Bottom Layer w0.203: J2.11 6.217,46.222 6.217,46.857 6.477,47.117 10.795,47.117 20.955,36.957 22.352,36.957 v1(23.241,37.846)
PC3: J2.12 U1.18 | length 24
  Top Layer w0.203: v1(22.453,36.042) 24.17,37.759 U1.18
  Bottom Layer w0.203: J2.12 10.668,45.974 20.6,36.042 v1(22.453,36.042)
PC4: J2.21 U1.33 | length 43.6
  Top Layer w0.203: J2.21 5.969,34.163 6.223,34.417 10.033,34.417 11.024,33.426 11.024,29.737 18.155,22.606 30.74,22.606 33.049,24.914 U1.33
PC5: J2.22 U1.34 | length 40.3
  Top Layer w0.203: J2.22 8.679,33.444 9.99,33.444 10.541,32.893 10.541,29.645 17.986,22.2 30.909,22.2 33.549,24.839 U1.34
PC6: J3.9 U1.63 | length 34.3
  Top Layer w0.203: U1.63 45.376,40.259 49.276,36.359 49.276,31.242 61.214,19.304 64.651,19.304 64.866,19.519 64.866,20.543 J3.9
PC7: J3.10 U1.64 | length 30.1
  Top Layer w0.203: U1.64 45.451,40.759 49.682,36.527 49.682,31.725 60.833,20.574 J3.10
PC8: J3.11 U1.65 | length 33.6
  Top Layer w0.203: U1.65 45.525,41.259 50.198,36.586 50.198,31.783 60.138,21.844 64.77,21.844 64.94,22.014 64.94,23.071 J3.11
PC9: J3.12 U1.66 | length 29.3
  Top Layer w0.203: U1.66 45.6,41.759 50.673,36.686 50.673,32.131 59.69,23.114 J3.12
PC10: J3.21 U1.78 | length 38.7
  Top Layer w0.203: U1.78 40.549,49.185 41.073,49.709 51.164,49.709 55.143,45.73 55.143,35.789 56.261,34.671 64.651,34.671 64.651,35.568 J3.21
PC11: J3.22 U1.79 | length 35.3
  Top Layer w0.203: U1.79 40.074,48.134 40.074,49.285 40.905,50.116 51.333,50.116 55.55,45.899 55.55,36.449 56.185,35.814 J3.22
PC12: J3.23 U1.80 | length 37.6
  Top Layer w0.203: U1.80 39.549,49.334 40.736,50.522 51.501,50.522 55.956,46.067 55.956,38.913 57.785,37.084 64.008,37.084 64.328,37.404 64.328,37.435 64.897,38.003 J3.23
PC13: J2.6 U1.7 | length 23.5
  Top Layer w0.203: J2.6 11.557,53.594 19.66,45.491 22.327,45.491 24.559,43.259 U1.7
PD0: J3.24 U1.81 | length 34
  Top Layer w0.203: U1.81 39.049,49.463 40.514,50.928 51.688,50.928 56.515,46.101 56.515,40.005 58.166,38.354 J3.24
PD1: J3.25 U1.82 | length 37.2
  Top Layer w0.203: U1.82 38.549,49.537 40.346,51.335 52.043,51.335 57.023,46.355 57.023,42.164 59.69,39.497 64.643,39.497 64.94,39.794 64.94,40.851 J3.25
PD2: J3.26 U1.83 | length 34.1
  Top Layer w0.203: U1.83 38.049,49.612 40.178,51.741 41.267,51.741 52.78,51.741 57.501,47.02 57.501,42.261 58.995,40.767 62.23,40.767 J3.26
PD3: J3.27 U1.84 | length 37.7
  Top Layer w0.203: U1.84 37.549,49.687 40.059,52.197 53.086,52.197 57.907,47.376 57.907,42.664 58.28,42.291 64.389,42.291 64.649,42.551 64.649,43.186 J3.27
PD4: J3.28 U1.85 | length 33.9
  Top Layer w0.203: U1.85 37.049,49.762 39.992,52.705 53.153,52.705 58.314,47.544 58.314,44.323 59.203,43.434 J3.28
PD5: J3.29 U1.86 | length 38.1
  Top Layer w0.203: U1.86 36.549,49.836 40.052,53.34 53.721,53.34 58.801,48.26 58.801,45.212 59.309,44.704 64.778,44.704 64.897,44.823 J3.29
PD6: J3.30 U1.87 | length 34.5
  Top Layer w0.203: U1.87 36.049,49.911 39.986,53.848 54.356,53.848 59.309,48.895 59.309,46.482 59.944,45.847 62.23,45.847 J3.30
PD7: J3.31 U1.88 | length 37.5
  Top Layer w0.203: U1.88 35.549,49.986 39.893,54.331 54.508,54.331 59.944,48.895 59.944,47.498 60.198,47.244 63.881,47.244 64.897,48.26 J3.31
PD8: J3.1 U1.55 | length 40.4
  Top Layer w0.203: U1.55 43.411,36.246 44.592,36.246 45.466,35.373 45.466,29.21 54.356,20.32 54.356,16.129 61.722,8.763 64.516,8.763 64.92,9.167 64.92,9.336 64.897,9.359 J3.1
PD9: J3.2 U1.56 | length 35.6
  Top Layer w0.203: U1.56 44.655,36.759 46.101,35.312 46.101,29.15 55.118,20.133 55.118,16.51 61.214,10.414 J3.2
PD10: J3.3 U1.57 | length 38.8
  Top Layer w0.203: U1.57 44.729,37.259 46.838,35.151 46.838,29.108 55.753,20.193 55.753,17.272 61.468,11.557 64.643,11.557 65.067,11.981 65.067,12.784 J3.3
PD11: J3.4 U1.58 | length 34.2
  Top Layer w0.203: U1.58 44.804,37.759 47.244,35.319 47.244,29.277 56.388,20.133 56.388,17.78 61.214,12.954 J3.4
PD12: J3.5 U1.59 | length 37.2
  Top Layer w0.203: U1.59 44.926,38.259 47.65,35.535 47.65,29.693 57.023,20.32 57.023,18.669 61.595,14.097 64.77,14.097 64.897,14.224 J3.5
PD13: J3.6 U1.60 | length 32.8
  Top Layer w0.203: U1.60 45.001,38.759 48.057,35.703 48.057,29.921 57.658,20.32 57.658,18.923 60.862,15.719 62.132,15.719 J3.6
PD14: J3.7 U1.61 | length 36.8
  Top Layer w0.203: U1.61@44.262,39.234 43.424,39.234 U1.61 45.075,39.259 48.463,35.871 48.463,30.277 58.453,20.287 58.453,18.702 60.265,16.891 64.643,16.891 64.897,17.145 J3.7
PD15: J3.8 U1.62 | length 31.9
  Top Layer w0.203: U1.62 45.301,39.759 48.87,36.19 48.87,30.683 58.928,20.625 58.928,19.431 60.325,18.034 J3.8
PE0: J3.39 U1.97 | length 51.1
  Top Layer w0.203: U1.97 31.049,53.406 29.743,54.712 29.743,60.477 30.48,61.214 42.551,61.214 45.345,58.42 58.293,58.42 59.563,57.15 61.881,57.15 62.262,57.531 64.524,57.531 64.649,57.656 64.649,58.426 J3.39
PE1: J3.40 U1.98 | length 47.9
  Top Layer w0.203: U1.98 30.549,53.017 29.337,54.229 29.337,61.087 29.87,61.62 43.028,61.62 45.593,59.055 61.625,59.055 62.006,58.674 J3.40
PE2: J2.1 U1.1 | length 28.9
  Top Layer w0.203: J2.1 5.969,59.817 6.477,60.325 9.525,60.325 11.557,58.293 14.903,58.293 26.937,46.259 U1.1
PE5: J2.4 U1.4 | length 23.9
  Top Layer w0.203: J2.4 15.24,56.134 25.692,45.682 25.692,45.669 26.577,44.784 27.673,44.784 U1.4
PE6: J2.5 U1.5 | length 27.2
  Top Layer w0.203: J2.5 5.926,53.637 5.926,54.44 6.35,54.864 15.935,54.864 24.668,46.131 24.668,46.118 26.505,44.282 27.676,44.282 U1.5
PE7: J2.26 U1.38 | length 31.9
  Top Layer w0.203: v1(32.385,35.052) 34.417,35.052 35.549,33.92 U1.38
  Bottom Layer w0.203: J2.26 10.287,29.972 27.051,29.972 32.004,34.925 32.004,34.933 32.04,34.969 32.302,34.969 v1(32.385,35.052)
PE8: J2.27 U1.39 | length 35.2
  Top Layer w0.203: v1(36.049,29.991) U1.39
  Bottom Layer w0.203: J2.27 7.048,24.575 30.633,24.575 v1(36.049,29.991)
PE9: J2.28 U1.40 | length 33.6
  Top Layer w0.203: U1.40 v1(36.549,34.39)
  Bottom Layer w0.203: J2.28 27.813,25.654 v1(36.549,34.39)
PE10: J2.29 U1.41 | length 36.5
  Top Layer w0.203: v1(36.195,28.956) 37.049,29.81 U1.41
  Bottom Layer w0.203: J2.29 5.969,23.241 6.897,24.169 31.408,24.169 v1(36.195,28.956)
PE11: J2.30 U1.42 | length 34.6
  Top Layer w0.203: v1(35.814,27.686) 37.549,29.421 U1.42
  Bottom Layer w0.203: J2.30 31.242,23.114 v1(35.814,27.686)
PE12: J2.31 J4.3 U1.43 | length 107.9
  Top Layer w0.203: v1(1.905,47.752) 1.905,24.638 J2.31 ; v1(35.814,26.416) 38.049,28.651 U1.43
  Bottom Layer w0.203: v1(1.905,47.752) 1.905,57.023 5.842,60.96 10.668,60.96 18.034,68.326 23.368,68.326 24.638,67.056 J4.3 ; J2.31 6.096,20.701 6.096,21.463 6.262,21.629 9.351,21.629 9.389,21.59 30.988,21.59 v1(35.814,26.416)
PE13: J2.32 U1.44 | length 37.7
  Top Layer w0.203: v1(35.814,25.019) 38.549,27.754 U1.44
  Bottom Layer w0.203: J2.32 31.369,20.574 v1(35.814,25.019)
PE15: J2.34 U1.46 | length 40.6
  Top Layer w0.203: v1(38.227,24.892) 39.549,26.214 U1.46
  Bottom Layer w0.203: J2.34 31.369,18.034 v1(38.227,24.892)
VCC3.3: C1.1 C2.2 C3.2 C4.1 C5.1 C6.1 C7.1 C9.1 C13.1 CON4.1 CON4.2 CON4.3 J1.1 J4.1 Jlink1.1 R3.1 R4.1 R7.1 R9.2 R11.2 R12.2 R13.2 U1.6 U1.11 U1.21 U1.22 U1.28 U1.50 U1.75 U1.100 U2.3 U3.5 | length 418.5
  Top Layer w0.203: R11.2 13.589,63.5 17.907,67.818 25.4,67.818 27.178,66.04 27.178,65.913 ; v1(17.907,31.496) 17.3,30.889 U2.3 16.068,29.525 17.907,27.686 21.463,27.686 21.59,27.813 ; R3.1 21.59,27.813 ; C2.2 23.042,46.863 26.146,43.759 U1.6 29.012,43.759 29.21,43.561 29.21,42.545 ; U1.22 24.964,35.759 23.622,34.417 23.622,31.115 25.775,28.962 C5.1 C4.1 ; U1.11 28.94,41.259 29.21,41.529 29.21,42.545 ; U3.5 29.734,14.981 C13.1 ; C7.1 30.549,29.152 U1.28 30.549,35.756 31.052,36.259 ; v1(32.512,12.065) 32.429,12.148 32.429,12.286 C13.1 ; R12.2 35.416,2.176 R13.2 v1(37.592,2.159) ; R4.1 36.305,58.691 v1(36.322,58.674) ; U1.50 41.549,29.571 45.322,25.798 C9.1 46.874,25.781 47.752,25.781 50.165,23.368 50.165,21.59 48.26,19.685 38.883,19.685 ; J1.1 46.482,4.445 46.482,10.922 47.625,12.065 Jlink1.1 47.498,12.192 45.466,14.224 44.207,14.224 R9.2 41.927,16.64 38.883,19.685 ; C6.1 49.603,46.259 U1.75 41.941,46.259 39.497,43.815 32.896,43.815 29.574,47.137 29.574,48.084 U1.100 29.549,48.235 29.523,48.26 28.448,48.26 24.663,52.045 24.663,52.68 C1.1 23.444,53.899 23.444,55.448 24.13,56.134 28.202,56.134 28.321,56.253 28.321,63.754 J4.1 27.178,65.913 ; CON4.1 CON4.2 CON4.3 28.321,67.056 27.178,65.913 ; 21.59,27.813 21.59,26.797 C3.2 22.71,26.543 C4.1 ; C4.1 23.114,28.205 23.114,34.798 24.575,36.259 U1.21 31.052,36.259 ; 29.21,42.545 31.242,42.545 33.528,40.259 33.528,38.735 31.052,36.259 ; C13.1 30.499,15.029 31.149,15.029 R7.1 38.883,19.685
  Bottom Layer w0.203: v1(17.907,31.496) 17.865,31.496 17.572,31.789 3.722,31.789 ; J4.1 27.178,67.056 ; v1(32.512,12.065) 25.781,12.065 22.098,8.382 3.683,8.382 2.159,9.906 2.159,30.226 3.722,31.789 ; v1(36.322,58.674) 36.322,60.833 39.116,63.627 39.116,66.167 37.592,67.691 27.813,67.691 27.178,67.056 ; v1(37.592,2.159) 44.196,2.159 J1.1 ; 3.722,31.789 3.136,31.789 0.762,34.163 0.762,60.325 2.921,62.484 9.271,62.484 15.875,69.088 25.908,69.088 27.178,67.818 27.178,67.056
VCC5V: C14.1 CON2.1 CON2.2 CON2.3 R10.2 U3.1 U3.3 USB1.A9 USB1.B9 | length 144.5
  Top Layer w0.203: USB1.B9 21.995,8.993 21.457,9.531 R10.2 21.474,12.954 C14.1 23.495,13.081 U3.3@25.136,13.081 ; USB1.A9 24.995,7.723 ; U3.1 26.294,14.981 26.67,14.605 26.67,13.335 26.416,13.081 U3.3 U3.3@25.136,13.081 ; CON2.3 CON2.2 CON2.1 66.675,61.976 69.088,59.563 69.088,11.557 58.674,1.143 40.259,1.143 39.624,1.778 39.624,7.62 36.449,10.795 28.067,10.795 24.995,7.723 ; 24.995,7.723 24.995,12.94 U3.3@25.136,13.081
pads on no net: U3.4 USB1.A5 USB1.B5

## Polygon pours and split planes (outlines as drawn)
GND on Top Layer "GND_L01_P000" (solid, remove dead copper, pour order 0): -0.127,69.977 69.977,69.977 69.977,-0.127 0,-0.127
GND on Bottom Layer "GND_L02_P001" (solid, remove dead copper, pour order 1): 0,69.977 69.977,69.977 70,69.954 70,0.023 69.977,0 0,0

## Keep-outs
Keep-Out Layer:
  lines w0.254: 0.878,69.98 ccw(c0.878,69.102) 0,69.102 0,1 ccw(c1,1) 1,0 69.102,0 ; 0.878,70 68.92,70 cw(c68.92,68.92) 70,68.92 70,0.878 cw(c69.102,0.878) 69.102,-0.02

## Silkscreen, mask and mechanical layers (free items; w line width, h text height)
Top Overlay:
  rectangle: 9.271,1.346 9.423,3.708
  text "V3.3" at 50.674,68.597 h1.52
  text "GND" at 53.594,68.597 h1.52
  text "5V" at 57.15,68.597 h1.52
  text "UART1" at 42.545,68.216 h1.52
  text "PA6" at 20.574,67.962 h1.52
  text "PE12" at 23.876,67.945 h1.52
  text "SDA" at 32.131,66.565 h1.52
  text "SCL" at 35.433,66.565 h1.52
  text "RXD" at 41.656,66.548 h1.52
  text "TXD" at 44.704,66.548 h1.52
  text "MISO" at 19.939,66.438 h1.52
  text "CS" at 23.749,66.438 h1.52
  text "V3.3" at 26.163,66.438 h1.52
  text "PE14" at 12.192,66.294 h1.52
  text "IIC" at 30.48,64.279 h1.52
  text "PA10" at 41.402,62.628 h1.52
  text "PA9" at 44.958,62.628 h1.52
  text "SPI1" at 20.43,62.484 h1.52 r90
  text "PC15" at 31.496,62.12 h1.52
  text "PC14" at 35.179,62.12 h1.52
  text "MOSI" at 19.685,59.834 h1.52
  text "CLK" at 23.368,59.834 h1.52
  text "GND" at 26.035,59.834 h1.52
  text "PB5" at 20.828,58.564 h1.52
  text "PA5" at 23.876,58.564 h1.52
  text "PE3" at 10.414,58.31 h1.52
  text "PE0" at 66.548,58.31 h1.52
  text "PE2" at 1.27,58.293 h1.52
  text "PE1" at 57.277,58.293 h1.52
  text "GND" at 28.829,57.421 h1.52
  text "VCC" at 35.561,57.167 h1.52
  text "PB9" at 57.277,55.77 h1.52
  text "PE5" at 10.414,55.643 h1.52
  text "PB8" at 66.548,55.643 h1.52
  text "PE4" at 1.27,55.626 h1.52
  text "BOOT0" at 31.623,55.262 h1.52
  text "PB7" at 57.277,53.213 h1.52
  text "PE6" at 1.27,53.103 h1.52
  text "PC13" at 10.414,53.103 h1.52
  text "PB6" at 66.548,53.103 h1.52
  text "PB5" at 57.277,50.69 h1.52
  text "PB4" at 66.548,50.673 h1.52
  text "PC15" at 10.414,50.563 h1.52
  text "PC14" at 1.27,50.436 h1.52
  text "PB3" at 57.277,48.15 h1.52
  text "PC0" at 1.27,48.023 h1.52
  text "PC1" at 10.414,48.023 h1.52
  text "PD7" at 66.548,47.752 h1.52
  text "PC3" at 10.414,45.61 h1.52
  text "PD6" at 57.277,45.61 h1.52
  text "PC2" at 1.27,45.483 h1.52
  text "PD5" at 66.548,45.356 h1.52
  text "PD4" at 57.277,43.053 h1.52
  text "PA0" at 1.27,42.943 h1.52
  text "PD3" at 66.548,42.943 h1.52
  text "PA1" at 10.414,42.926 h1.52
  text "PA2" at 1.27,40.513 h1.52
  text "PD2" at 57.277,40.513 h1.52
  text "PA3" at 10.414,40.403 h1.52
  text "PD1" at 66.548,40.259 h1.52
  text "PA4" at 1.27,37.973 h1.52
  text "PA5" at 10.414,37.863 h1.52
  text "PD0" at 57.277,37.863 h1.52
  text "PC12" at 66.548,37.863 h1.52
  text "PA6" at 1.27,35.45 h1.52
  text "PC10" at 66.548,35.45 h1.52
  text "PA7" at 10.414,35.433 h1.52
  text "PC11" at 57.277,35.196 h1.52
  text "PC4" at 1.27,32.783 h1.52
  text "PC5" at 10.414,32.783 h1.52
  text "PA14" at 66.548,32.766 h1.52
  text "PA15" at 57.277,32.656 h1.52
  text "PA13" at 57.277,30.37 h1.52
  text "PB0" at 1.27,30.243 h1.52
  text "PB1" at 10.414,30.226 h1.52
  text "PA12" at 66.548,30.226 h1.52
  text "PB2" at 1.27,27.813 h1.52
  text "PE7" at 10.414,27.813 h1.52
  text "PA11" at 57.277,27.813 h1.52
  text "PA10" at 66.548,27.703 h1.52
  text "PE8" at 1.27,25.163 h1.52
  text "PA8" at 66.548,25.163 h1.52
  text "PE9" at 10.414,25.036 h1.52
  text "PA9" at 57.277,25.036 h1.52
  text "PE10" at 1.27,22.623 h1.52
  text "PC9" at 57.277,22.623 h1.52
  text "PC8" at 66.548,22.623 h1.52
  text "PE11" at 10.414,22.606 h1.52
  text "GND" at 31.369,21.48 h1.52
  text "VCC" at 38.228,21.353 h1.52
  text "PE13" at 10.414,20.083 h1.52
  text "PC7" at 57.277,20.083 h1.52
  text "PC6" at 66.548,20.083 h1.52
  text "PE12" at 1.27,20.066 h1.52
  text "BOOT1" at 34.29,19.067 h1.52
  text "PE15" at 10.414,17.543 h1.52
  text "PD15" at 57.277,17.543 h1.52
  text "PE14" at 1.27,17.526 h1.52
  text "PD14" at 66.548,17.399 h1.52
  text "PB11" at 10.414,15.113 h1.52
  text "PB10" at 1.27,15.003 h1.52
  text "PD13" at 57.277,15.003 h1.52
  text "PD12" at 66.548,14.986 h1.52
  text "V3.3" at 48.116,13.844 h1.52 r90
  text "TCK" at 53.196,13.843 h1.52 r90
  text "TMS" at 50.656,13.716 h1.52 r90
  text "GND" at 55.736,13.716 h1.52 r90
  text "PD10" at 66.548,12.59 h1.52
  text "PB13" at 10.414,12.463 h1.52
  text "PB12" at 1.27,12.446 h1.52
  text "PD11" at 57.277,12.446 h1.52
  text "PD8" at 66.548,10.05 h1.52
  text "PB15" at 10.414,9.796 h1.52
  text "PD9" at 57.277,9.796 h1.52
  text "PB14" at 1.27,9.779 h1.52
  text "PE3" at 29.591,5.986 h1.52
  text "PE4" at 36.449,5.969 h1.52
  text "Designed by" at 9.906,3.048 h0.89
  text "JTAG" at 42.909,3.045 h1.52 r90
  text "Chenjd" at 9.906,1.524 h1.78
Bottom Overlay:
  drawing of 8682 lines, arcs and shapes, not listed

## Text inside footprints (layer, text, board x,y; h text height)
J1: Top Overlay "Vref" at 44.324,1.281 h1.02; Top Overlay "3.3V" at 44.323,6.624 h1.02; Top Overlay "TRST" at 46.609,1.281 h1.02; Top Overlay "RESET" at 46.482,6.615 h1.02; Top Overlay "TDO" at 49.657,6.615 h1.02; Top Overlay "TDI" at 49.784,1.293 h1.02; Top Overlay "GND" at 51.943,6.615 h1.02; Top Overlay "GND" at 54.737,6.615 h1.02; Top Overlay "TMS" at 52.324,1.281 h1.02; Top Overlay "TCK" at 54.864,1.281 h1.02